# Altium PCB MCU-Board.PcbDoc
Units mm, origin at the board's own origin, x right, y up, seen from the top; angles counter-clockwise.
Board outline 40 x 40 mm, 2 copper layers (Top Layer, Bottom Layer), stack 1.671 mm thick; 39 components, 35 nets, 220 pads, 124 vias.
Unrouted connection lines stored in the file: 48.
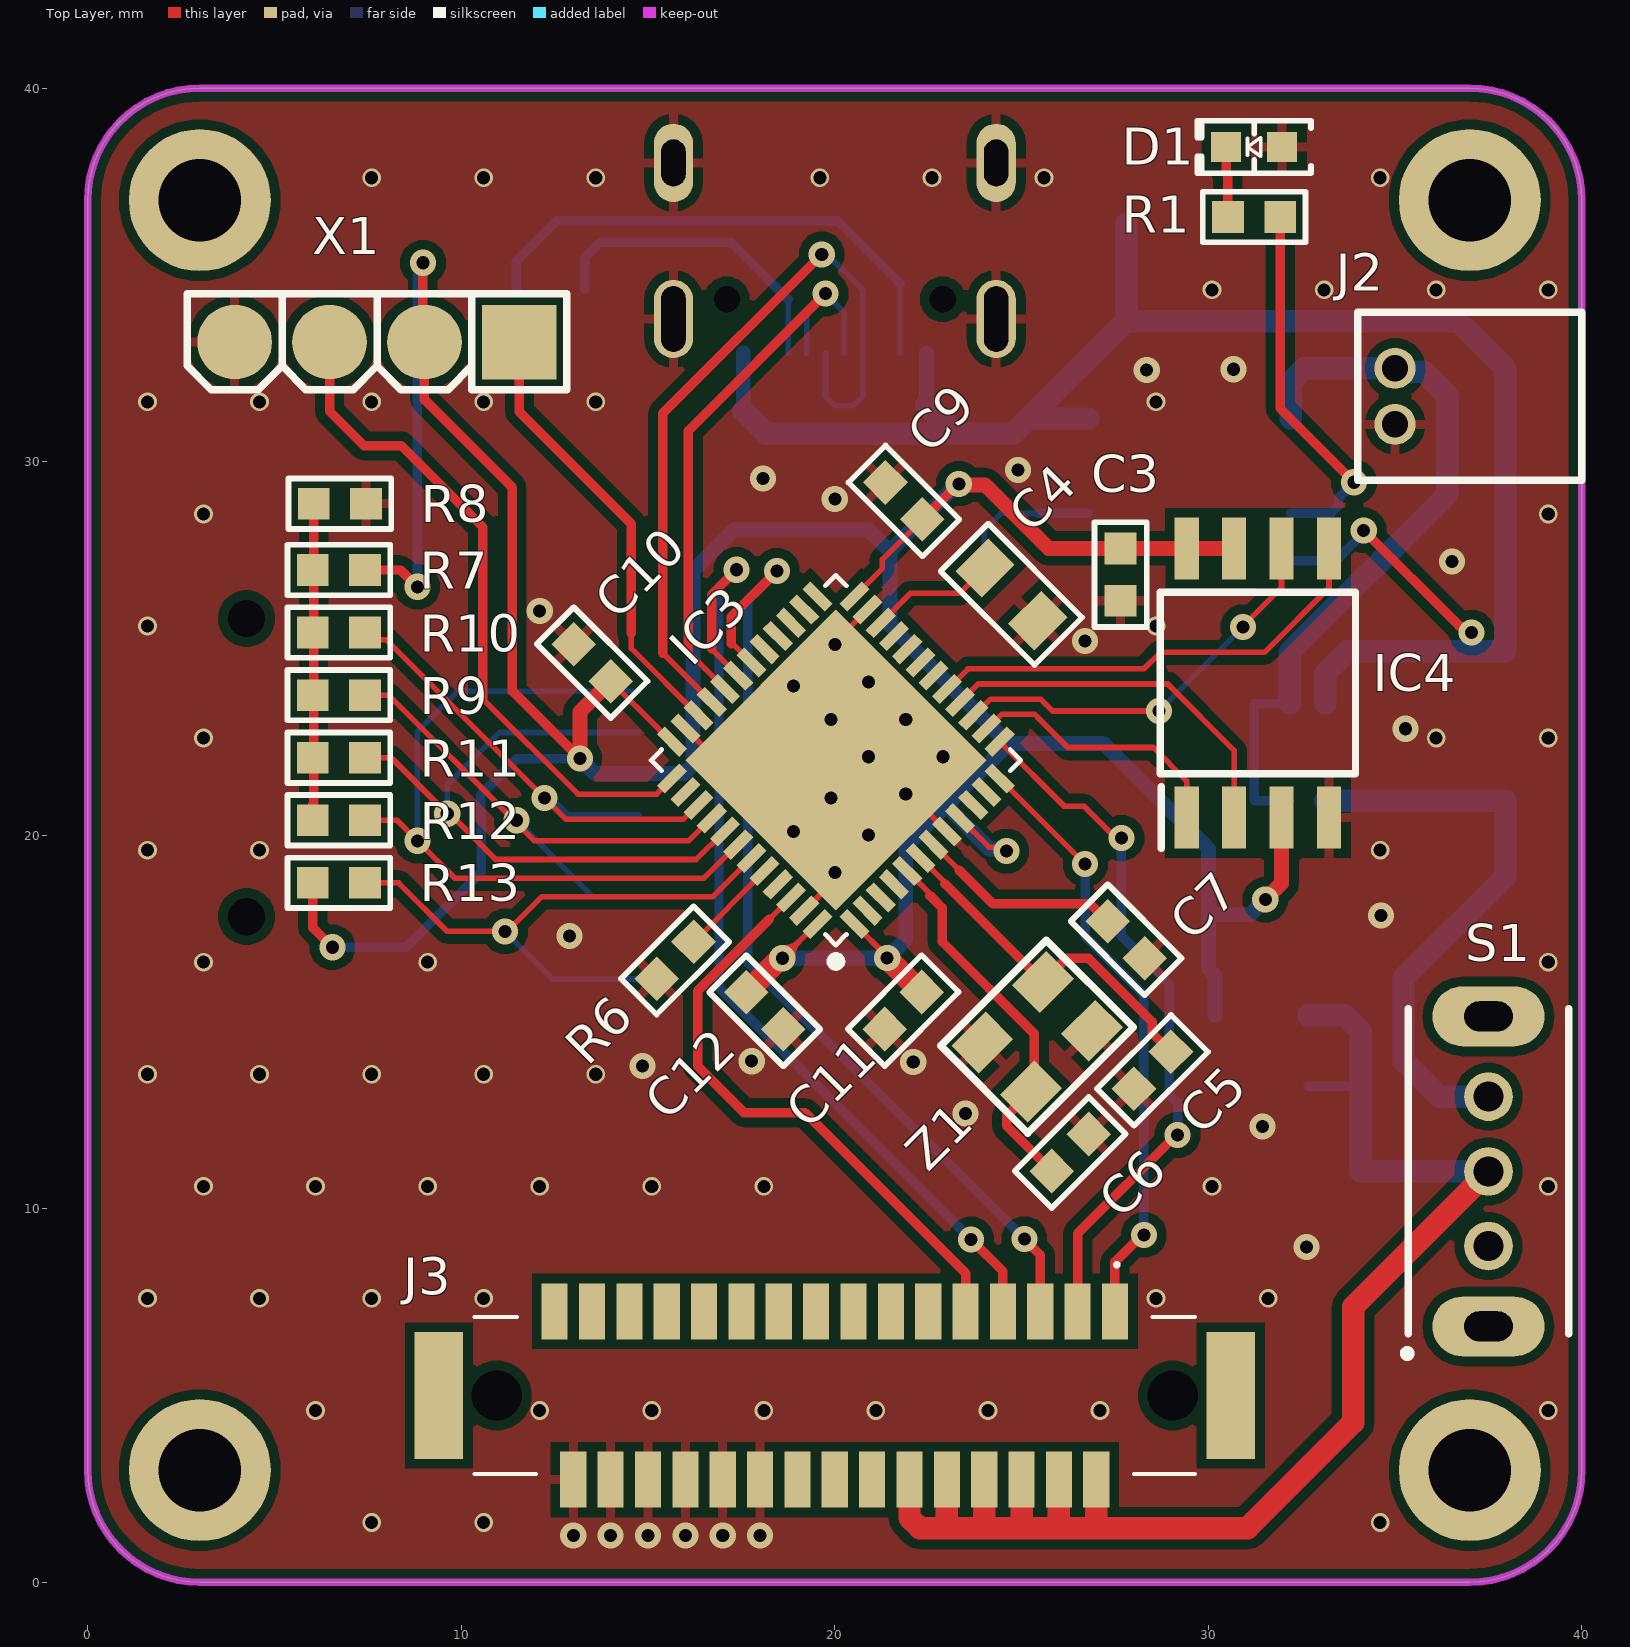
[diagram p0: Top Layer view]
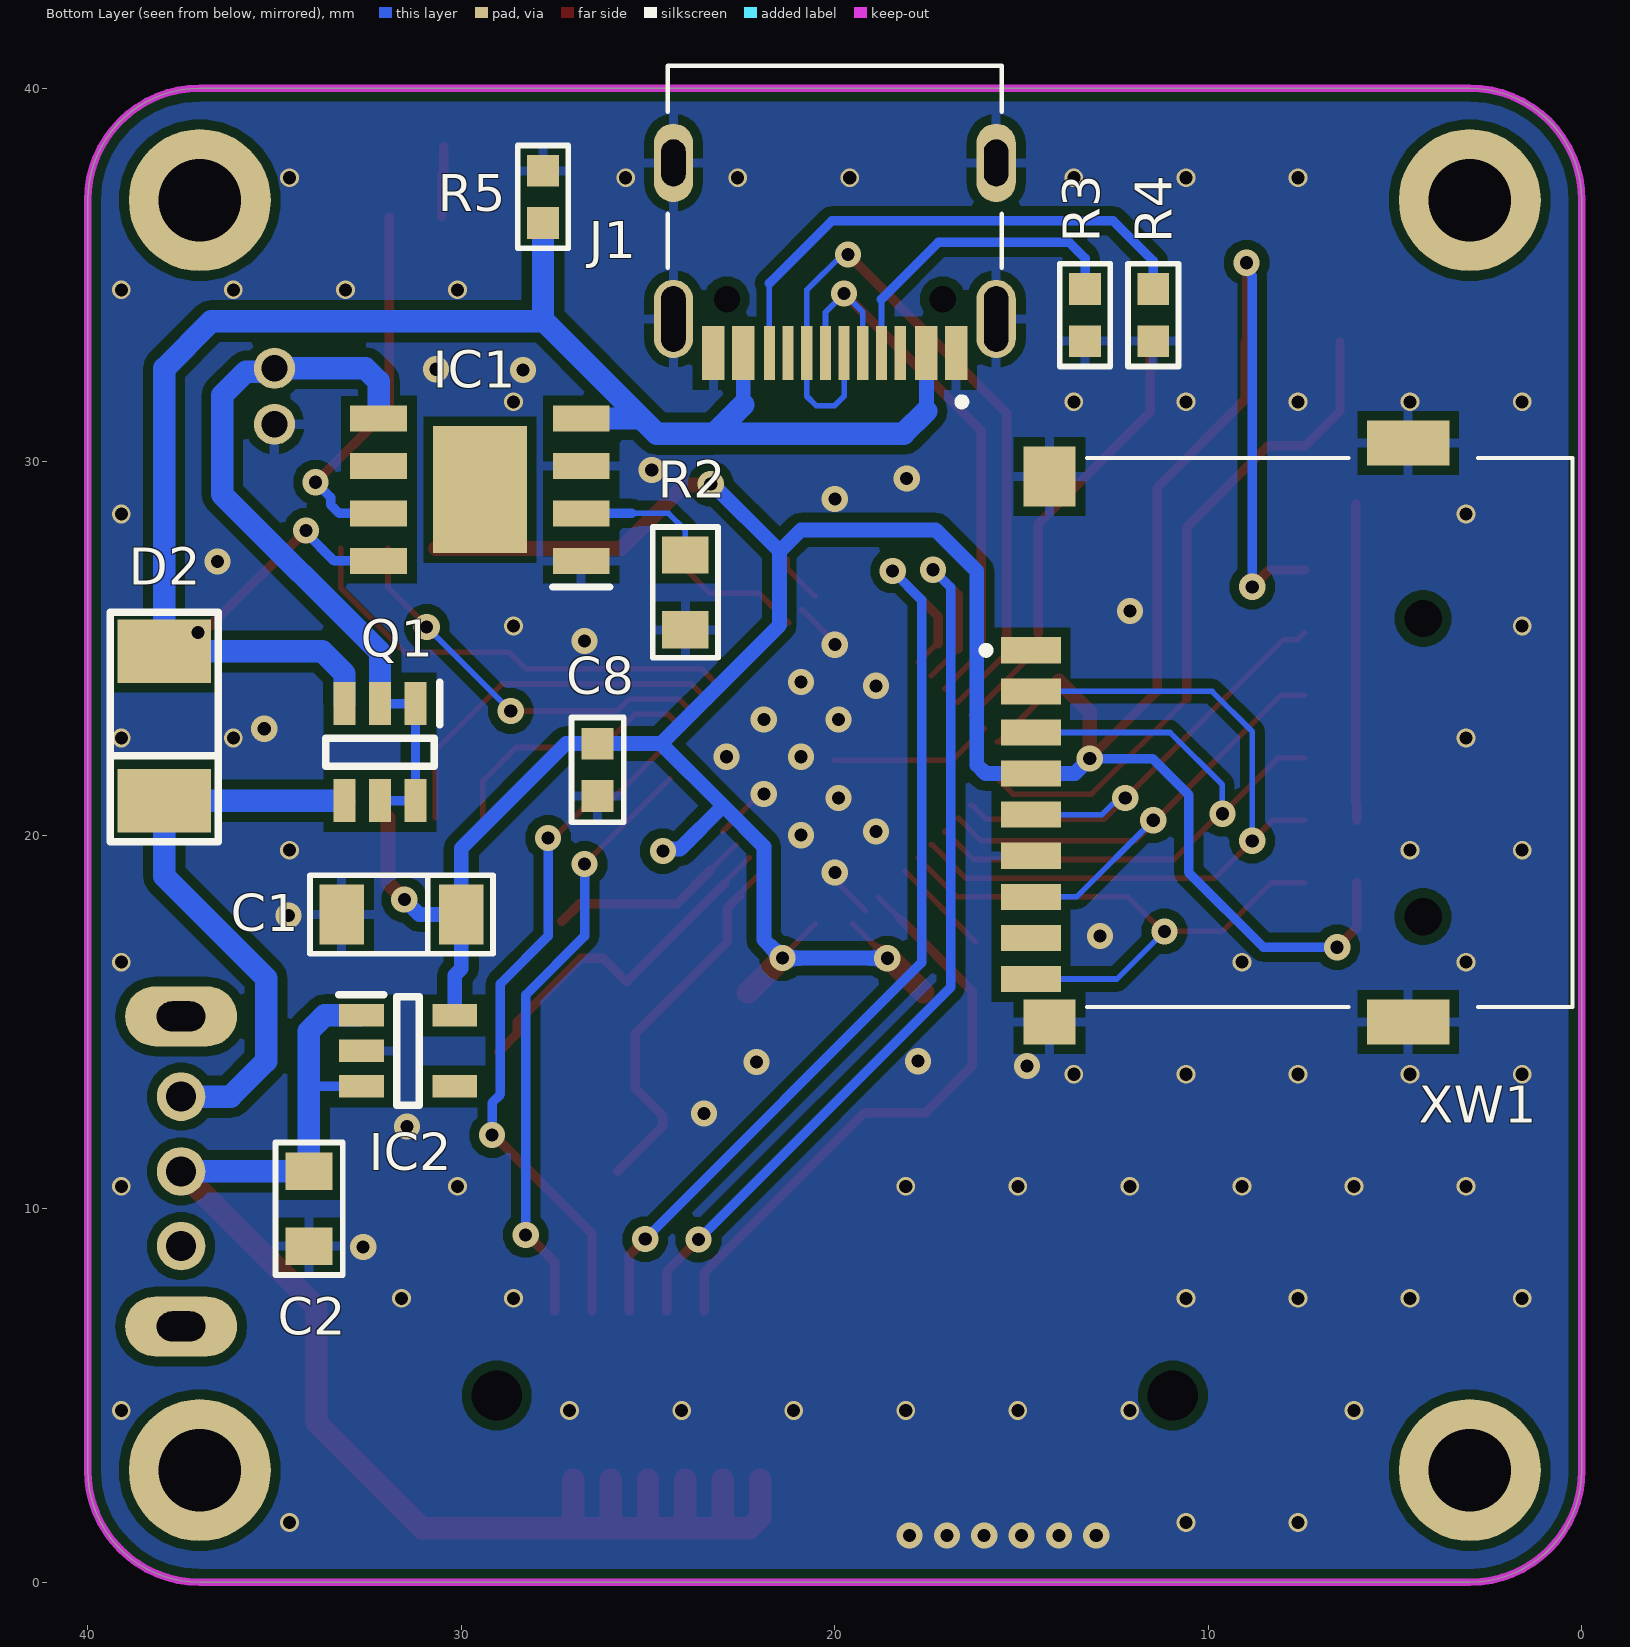
[diagram p1: Bottom Layer view, seen from below]
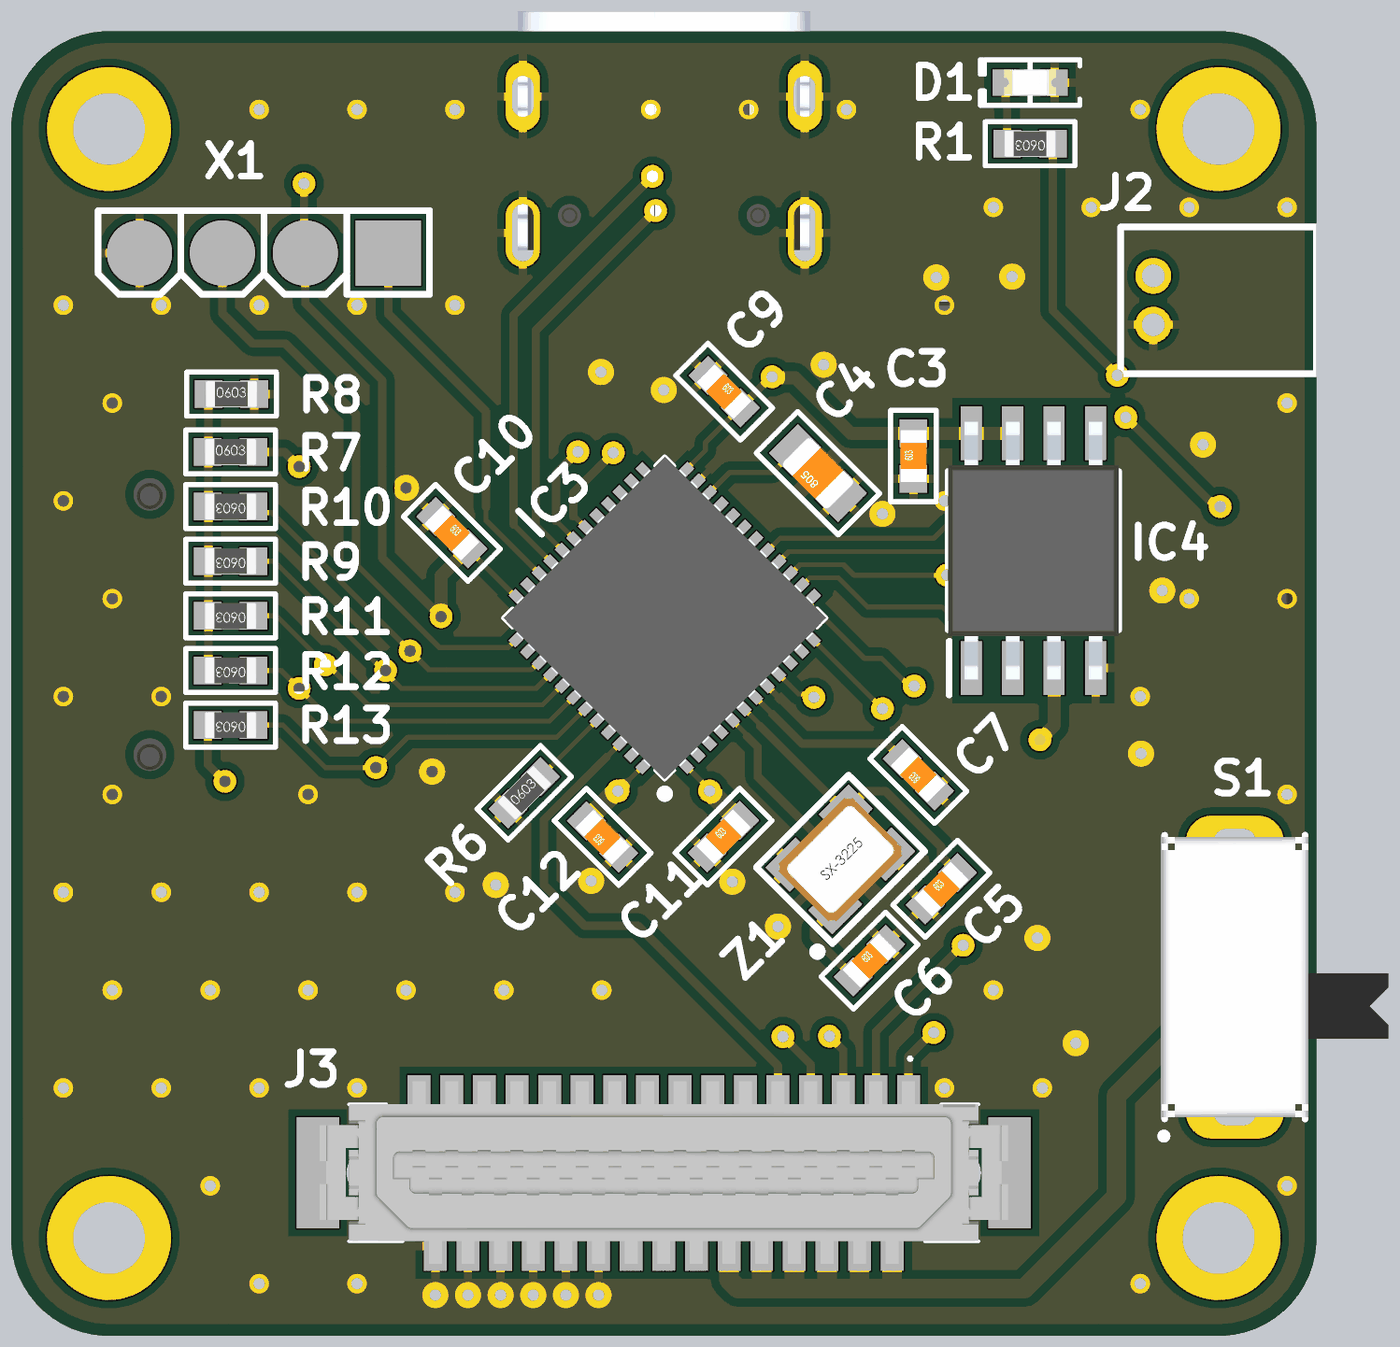
[diagram p2: 3D render of the assembled board from above, using the file's embedded part models]
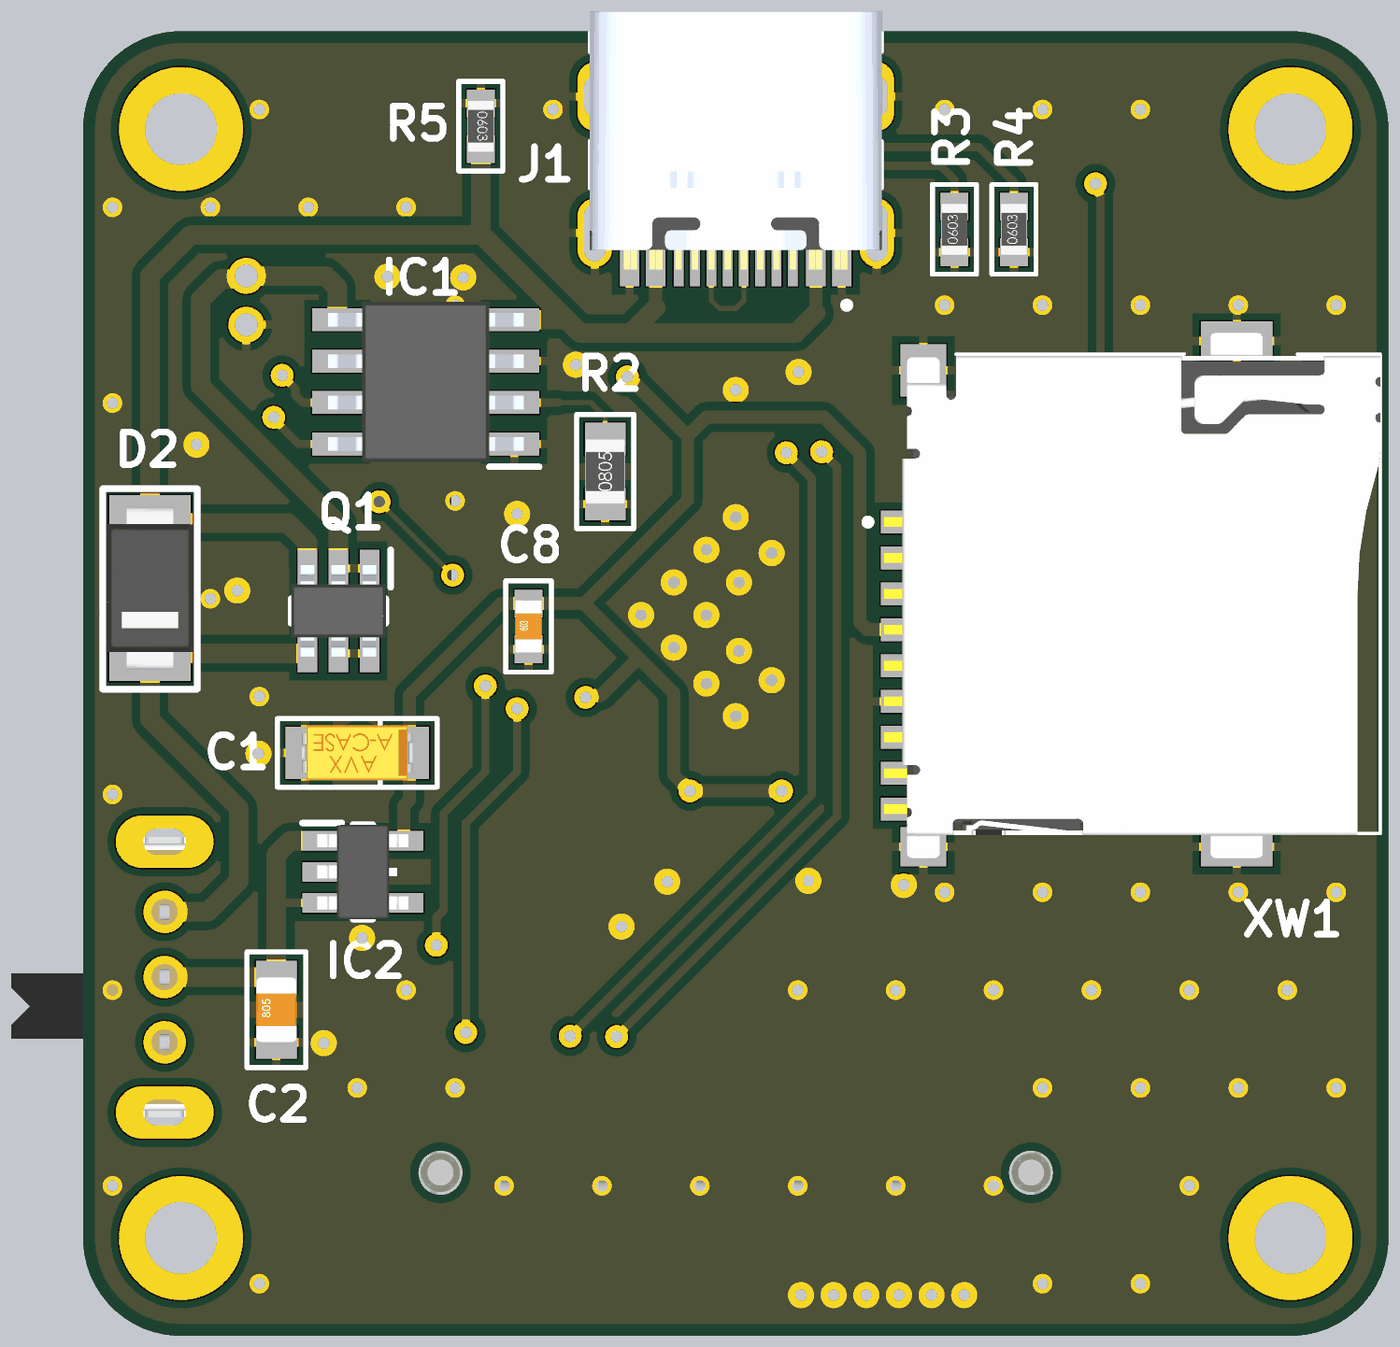
[diagram p3: 3D render of the assembled board from below, using the file's embedded part models]

## Layer stack, top to bottom
Top Solder: solder mask 0.0102, Solder Resist, Dk 3.5
Top Layer: signal copper 0.0356
Dielectric 1: dielectric 1.6, FR-4, Dk 4.8
Bottom Layer: signal copper 0.0356
Bottom Solder: solder mask 0.0102, Solder Resist, Dk 3.5

## Board outline
0,3 0,37 cw(c3,37) 3,40 37,40 cw(c37,37) 40,37 40,3 cw(c37,3) 37,0 3,0 cw(c3,3)

## Design rules (kind name [scope] priority, off if disabled: settings)
BoardOutlineClearance [All] p1: gap=0.2 ignorepadtopadclearanceinfootprint=FALSE
Clearance [All] p1: gap=0.254 ignorepadtopadclearanceinfootprint=FALSE except(0.127: SMDPad-SMDPad; 0.33: Arc-THPad Track-THPad; 0.5: THPad-THPad)
HoleSize [All] p1: absolutevalues=TRUE maxlimit=6.3 minlimit=0.2 maxpercent=80.000 minpercent=20.000
MinimumSolderMaskSliver MinimumSolderMaskSliver_TSSOP [HasFootprint('20-TSSOP')] p1: minsoldermaskwidth=0.2
MinimumSolderMaskSliver [All] p2: minsoldermaskwidth=0.2
PolygonConnect PolygonConnectMSOP [HasFootprint('10-MSOP')] p1: thpad.connectstyle=Relief thpad.reliefconductorwidth=0.18 thpad.reliefentries=4 thpad.polygonreliefangle="90 Angle" thpad.airgapwidth=0.254 smdpad.connectstyle=Direct smdpad.reliefconductorwidth=0.18 smdpad.reliefentries=4 smdpad.polygonreliefangle="90 Angle" smdpad.airgapwidth=0.254 via.connectstyle=Direct via.reliefconductorwidth=0.18 via.reliefentries=4 via.polygonreliefangle="90 Angle" via.airgapwidth=0.254
PolygonConnect [All] p2: thpad.connectstyle=Relief thpad.reliefconductorwidth=0.254 thpad.reliefentries=4 thpad.polygonreliefangle="90 Angle" thpad.airgapwidth=0.254 smdpad.connectstyle=Relief smdpad.reliefconductorwidth=0.254 smdpad.reliefentries=4 smdpad.polygonreliefangle="90 Angle" smdpad.airgapwidth=0.254 via.connectstyle=Direct via.reliefconductorwidth=0.254 via.reliefentries=4 via.polygonreliefangle="90 Angle" via.airgapwidth=0.254
RoutingCorners [All] p1: cornerstyle=45-Degree minsetback=1.27 maxsetback=1.27
RoutingVias [All] p1: holewidth=0.35 width=0.7 viastyle="Through Hole" minholewidth=0.25 minwidth=0.5 maxholewidth=0.5 maxwidth=1
SMDEntry [All] p1: side=TRUE corner=FALSE anyangle=FALSE
SMDToCorner [All] p1: distance=0
SilkToSolderMaskClearance [IsPad] p1: minsilkscreentomaskgap=0.15 clearancetoexposedcopper=TRUE
SolderMaskExpansion [All] p1: expansion=0.05 istentingtop=FALSE
UnRoutedNet [All] p1: checkbadconnections=TRUE
Width Default [All] p1: maxlimit=0.6 minlimit=0.15 preferedwidth=0.254 minimp=50.000000 maximp=50.000000 favimp=50.000000
25 further rules are at their usual default settings.

## Components (designator, comment, footprint, x,y, rotation, side; value= is the part's Value field where it differs from the comment)
C1 "10u" "CAP: TANTAL-A" 31.6,17.875 r0 bottom
C2 "10u" "CAP: 0805" 34.075,10 r90 bottom
C3 "100n" "CAP: 0603" 27.65,26.975 r90 top
C4 "2.2u" "CAP: 0805" 24.725,26.45 r135 top
C5 "8p" "CAP: 0603" 28.505,13.705 r45 top
C6 "8p" "CAP: 0603" 26.305,11.505 r45 top
C7 "100n" "CAP: 0603" 27.8,17.2 r135 top
C8 "100n" "CAP: 0603" 26.35,21.75 r90 bottom
C9 "100n" "CAP: 0603" 21.85,28.95 r315 top
C10 "100n" "CAP: 0603" 13.505,24.62 r315 top
C11 "100n" "CAP: 0603" 21.83,15.305 r45 top
C12 "100n" "CAP: 0603" 18.125,15.3 r135 top
D1 "=VALUE" "LED 0603_1608" 31.225,38.425 r180 top
D2 "1N4007" "DIODE: SMA" 37.95,22.925 r270 bottom
IC1 "TP4056" SOIC127P600X175-9N 29.5,29.25 r0 bottom
IC2 "LP2981IM5X-3.3" SOT95P280X145-5N 31.425,14.225 r180 bottom
IC3 "STM32F401CCU6" QFN50P700X700X60-49N-D 20.03,22.009 r135 top
IC4 "W25Q128FVSIG" SOIC127P790X216-8N 31.325,24.075 r90 top
J1 "TYPE-C" HRO_TYPE-C-31-M-12 20,38 r0 bottom locked
J2 "NX1500-02SMR" NX1500-02SMR 35,32.5 r270 top
J3 "DF9-31P-1V_32_" DF931P1V32 20,5 r180 top
Q1 "IRLMS6802TRPBF" SOT95P280X130-6N 32.175,22.225 r270 bottom
R1 "Resistor film, 680R, , 0201, 0.05W, -55...+125°C" "RES: 0603" 31.225,36.55 r180 top value=680R
R2 "Resistor film, 1.2k, , 0201, 0.05W, -55...+125°C" "RES: 0805" 24,26.5 r90 bottom value=1.2k
R3 "Resistor film, 5.1k, , 0201, 0.05W, -55...+125°C" "RES: 0603" 13.3,33.925 r90 bottom value=5.1k
R4 "Resistor film, 5.1k, , 0201, 0.05W, -55...+125°C" "RES: 0603" 11.475,33.925 r90 bottom value=5.1k
R5 "Resistor film, 100k, , 0201, 0.05W, -55...+125°C" "RES: 0603" 27.812,37.088 r270 bottom value=100k
R6 "Resistor film, 9.1k, , 0201, 0.05W, -55...+125°C" "RES: 0603" 15.725,16.65 r45 top value=9.1k
R7 "Resistor film, 0, , 0201, 0.05W, -55...+125°C" "RES: 0603" 6.725,27.1 r0 top value=0
R8 "Resistor film, 0, , 0201, 0.05W, -55...+125°C" "RES: 0603" 6.75,28.875 r0 top value=0
R9 "Resistor film, 9.1k, , 0201, 0.05W, -55...+125°C" "RES: 0603" 6.725,23.75 r180 top value=9.1k
R10 "Resistor film, 9.1k, , 0201, 0.05W, -55...+125°C" "RES: 0603" 6.725,25.425 r180 top value=9.1k
R11 "Resistor film, 9.1k, , 0201, 0.05W, -55...+125°C" "RES: 0603" 6.725,22.075 r180 top value=9.1k
R12 "Resistor film, 9.1k, , 0201, 0.05W, -55...+125°C" "RES: 0603" 6.725,20.4 r180 top value=9.1k
R13 "Resistor film, 9.1k, , 0201, 0.05W, -55...+125°C" "RES: 0603" 6.725,18.725 r180 top value=9.1k
S1 "OS102011MA1QN1" OS102011MA1QN1 37.5,11 r90 top
X1 "" "CON: PLS-4R" 7.745,33.2 r180 top
XW1 "TFP09-2-12B" TFP09212B 0.25,22.75 r0 bottom locked
Z1 "Crystal, 25MHz, 6pF, ±50ppm, case 2016, -30...+85°C" "OSC: 3225" 25.416,14.608 r45 top

## Footprints (in the part's own frame and the unit in brackets; to place one, negate y for a bottom-side part, rotate by r counter-clockwise, add the part's x,y. Pads: shape width x height; smd on the part's side, far side on the other; paste and mask are expansions set on the pad)
"CAP: 0603" [mm]
  rect 0.85x0.85 smd: 1(-0.7,0) 2(0.7,0)
  silkscreen extent -1.4,-0.7 1.4,0.7, body extent -0.8,-0.4 0.8,0.4, height 0.3
"CAP: 0805" [mm]
  rect 1x1.25 smd: 1(-1,0) 2(1,0)
  silkscreen extent -1.78,-0.9 1.78,0.9, body extent -1,-0.62 1,0.63, height 0.78
"CAP: TANTAL-A" [mm]
  rect 1.2x1.6 smd: 1(-1.6,0) 2(1.6,0)
  silkscreen extent -2.45,-1.05 2.45,1.05, body extent -1.7,-0.84 1.7,0.84, height 1.71
"CON: PLS-4R" [mm] "PLS-4R 4 pin header"
  rect 2x2 smd: 1(-3.81,0)
  round 2 smd: 2(-1.27,0) 3(1.27,0) 4(3.81,0)
  silkscreen extent -5.08,-1.3 5.08,1.27
DF931P1V32 [mm]
  rect 0.7x1.5 smd: 1(-7.5,-2.25) 2(-7,2.25) 3(-6.5,-2.25) 4(-6,2.25) 5(-5.5,-2.25) 6(-5,2.25) 7(-4.5,-2.25) 8(-4,2.25) 9(-3.5,-2.25) 10(-3,2.25) 11(-2.5,-2.25) 12(-2,2.25) 13(-1.5,-2.25) 14(-1,2.25) 15(-0.5,-2.25) 16(0,2.25) 17(0.5,-2.25) 18(1,2.25) 19(1.5,-2.25) 20(2,2.25) 21(2.5,-2.25) 22(3,2.25) 23(3.5,-2.25) 24(4,2.25) 25(4.5,-2.25) 26(5,2.25) 27(5.5,-2.25) 28(6,2.25) 29(6.5,-2.25) 30(7,2.25) 31(7.5,-2.25)
  round 0.675 hole 1.35 unplated: MH1(-9.05,0) MH2(9.05,0)
  rect 1.3x3.4 smd: MP1(-10.6,0) MP2(10.6,0)
  silkscreen extent -9.65,-3.55 9.65,2.1, body extent -10.55,-2.81 10.55,2.79, height 3.29
"DIODE: SMA" [mm]
  rect 1.7x2.5 smd: 1(-2,0) 2(2,0)
  round 0.5 on Mech1: ""(2,0.9)
  silkscreen extent -3.05,-1.45 3.1,1.45, body extent -2.5,-1.35 2.5,1.35, height 2.28
HRO_TYPE-C-31-M-12 [mm]
  rect 0.6x1.45 smd: A1B12(-3.25,5.095) A4B9(-2.45,5.095) B1A12(3.25,5.095) B4A9(2.45,5.095)
  rect 0.3x1.45 smd: A5(-1.25,5.095) A6(-0.25,5.095) A7(0.25,5.095) A8(1.25,5.095) B5(1.75,5.095) B6(0.75,5.095) B7(-0.75,5.095) B8(-1.75,5.095)
  oval 1.05x2.1 hole 0.65 slot 1.75 at 90 deg: S1(-4.32,4.18) S2(4.32,4.18)
  oval 1.05x2.1 hole 0.65 slot 1.25 at 90 deg: S3(-4.32,0) S4(4.32,0)
  round 0 hole 0.7 unplated: ""(-2.89,3.65) ""(2.89,3.65)
  silkscreen extent -4.47,-2.6 4.47,6.5, body extent -4.47,-2.6 4.47,5.31, height 3.31
"LED 0603_1608" [mm] "Chip Diode, 2-Leads, Body 1.60x0.80mm, IPC Medium Density"
  rect 0.8x0.8 smd: 1(-0.75,0) 2(0.75,0)
  silkscreen extent -1.52,-0.7 1.52,0.7, body extent -0.8,-0.4 0.8,0.4, height 0.53
NX1500-02SMR [mm]
  round 1.1 hole 0.7: 1(0,0) 2(1.5,0)
  silkscreen extent -1.5,-1 3,5
OS102011MA1QN1 [mm]
  round 1.3 hole 0.8: 1(-2,0) 2(0,0) 3(2,0)
  oval 1.6x3 hole 0.8 slot 1.3 at 90 deg: 4(-4.15,0) 5(4.15,0)
  silkscreen extent -4.97,-2.15 4.35,2.27, body extent -4.3,-4.7 4.3,2.24, height 4.7
"OSC: 3225" [mm]
  rect 1.3x1.05 smd: 1(-1.15,-0.925) 2(1.15,-0.925) 3(1.15,0.925) 4(-1.15,0.925)
  round 0.5 on Top Overlay: ""(-2.5,-1.5)
  silkscreen extent -2,-1.65 2,1.65, body extent -1.6,-1.25 1.6,1.25, height 0.81
QFN50P700X700X60-49N-D [mm]
  rect 0.85x0.3 smd: 1(-3.45,2.75) 2(-3.45,2.25) 3(-3.45,1.75) 4(-3.45,1.25) 5(-3.45,0.75) 6(-3.45,0.25) 7(-3.45,-0.25) 8(-3.45,-0.75) 9(-3.45,-1.25) 10(-3.45,-1.75) 11(-3.45,-2.25) 12(-3.45,-2.75) 25(3.45,-2.75) 26(3.45,-2.25) 27(3.45,-1.75) 28(3.45,-1.25) 29(3.45,-0.75) 30(3.45,-0.25) 31(3.45,0.25) 32(3.45,0.75) 33(3.45,1.25) 34(3.45,1.75) 35(3.45,2.25) 36(3.45,2.75)
  rect 0.3x0.85 smd: 13(-2.75,-3.45) 14(-2.25,-3.45) 15(-1.75,-3.45) 16(-1.25,-3.45) 17(-0.75,-3.45) 18(-0.25,-3.45) 19(0.25,-3.45) 20(0.75,-3.45) 21(1.25,-3.45) 22(1.75,-3.45) 23(2.25,-3.45) 24(2.75,-3.45) 37(2.75,3.45) 38(2.25,3.45) 39(1.75,3.45) 40(1.25,3.45) 41(0.75,3.45) 42(0.25,3.45) 43(-0.25,3.45) 44(-0.75,3.45) 45(-1.25,3.45) 46(-1.75,3.45) 47(-2.25,3.45) 48(-2.75,3.45)
  rect 5.7x5.7 smd: 49(0,0)
  silkscreen extent -3.93,-3.5 3.5,3.93, body extent -3.55,-3.55 3.55,3.55, height 0.6
"RES: 0603" [mm]
  rect 0.85x0.85 smd: 1(-0.7,0) 2(0.7,0)
  silkscreen extent -1.38,-0.67 1.38,0.67, body extent -0.8,-0.4 0.8,0.4, height 0.44
"RES: 0805" [mm]
  rect 1x1.25 smd: 1(-1,0) 2(1,0)
  silkscreen extent -1.75,-0.87 1.75,0.87, body extent -1,-0.6 1,0.6, height 0.48
SOIC127P600X175-9N [mm]
  rect 1.525x0.7 smd: 1(-2.712,1.905) 2(-2.712,0.635) 3(-2.712,-0.635) 4(-2.712,-1.905) 5(2.712,-1.905) 6(2.712,-0.635) 7(2.712,0.635) 8(2.712,1.905)
  rect 2.513x3.402 smd: 9(0,0)
  silkscreen extent -3.47,2.61 -1.95,2.61, body extent -3,-2.45 3,2.45, height 1.75
SOIC127P790X216-8N [mm]
  rect 1.65x0.65 smd: 1(-3.6,1.905) 2(-3.6,0.635) 3(-3.6,-0.635) 4(-3.6,-1.905) 5(3.6,-1.905) 6(3.6,-0.635) 7(3.6,0.635) 8(3.6,1.905)
  silkscreen extent -4.43,-2.62 2.42,2.62, body extent -3.95,-2.62 3.95,2.62, height 2.16
SOT95P280X130-6N [mm]
  rect 1.15x0.6 smd: 1(-1.3,0.95) 2(-1.3,0) 3(-1.3,-0.95) 4(1.3,-0.95) 5(1.3,0) 6(1.3,0.95)
  silkscreen extent -1.88,-1.45 0.38,1.6, body extent -1.4,-1.45 1.4,1.45, height 1.3
SOT95P280X145-5N [mm]
  rect 1.2x0.6 smd: 1(-1.25,0.95) 2(-1.25,0) 3(-1.25,-0.95) 4(1.25,-0.95) 5(1.25,0.95)
  silkscreen extent -1.85,-1.45 0.3,1.5, body extent -1.4,-1.45 1.4,1.45, height 1.2
TFP09212B [mm]
  rect 1.6x0.7 smd: 1(14.5,-2.2) 2(14.5,-1.1) 3(14.5,0) 4(14.5,1.1) 5(14.5,2.2) 6(14.5,3.3) 7(14.5,4.4) 8(14.5,5.5) 9(14.5,6.6)
  rect 1.4x1.2 smd: 10(14,7.75)
  rect 2.2x1.2 smd: 11(4.4,7.75) 12(4.4,-7.75)
  rect 1.4x1.6 smd: 13(14,-6.85)
  round 0.5 hole 1 unplated: MH1(4,-3.05) MH2(4,4.93)
  silkscreen extent 0,-7.35 15.8,7.35, body extent 0,-8 15.2,8.1, height 1.85

## Part data
C1: library part Capacitor_polar, "SMD Capacitor Polar"
C2 C3 C4 C5 C6 C7 C8 C9 C10 C11 C12: library part Capacitor, "SMD Capacitor"
D1: library part LED, "Chip LED"
D2: library part Diode, "Rectifier Diode"
IC1: "Connector", Manufacturer_Name="NanJing Top Power", Datasheet Link=https://dlnmh9ip6v2uc.cloudfront.net/datasheets/Prototyping/TP4056.pdf, Height=1.75mm, Manufacturer_Part_Number=TP4056
IC2: "Integrated Circuit", Manufacturer_Name="Texas Instruments", Manufacturer_Part_Number=LP2981IM5X-5.0, Mouser Part Number=926-LP2981IM5X-50, Datasheet Link=https://www.ti.com/lit/ds/symlink/lp2981-n.pdf?ts=1629199672850&ref_url=https%253A%252F%252Fwww.ti.com%252Fstore%252Fti%252Fen%252Fp%252Fproduct%252F%253Fp%253DLP2981IM5X-5.0%252FNOPB, Height=1.45mm, Mouser Price/Stock=https://www.mouser.com/Search/Refine.aspx?Keyword=926-LP2981IM5X-50
IC3: "Integrated Circuit", Manufacturer_Name=STMicroelectronics, Mouser Part Number=511-STM32F401CCU6, Arrow Part Number=STM32F401CCU6, Arrow Price/Stock=https://www.arrow.com/en/products/stm32f401ccu6/stmicroelectronics?region=nac, Datasheet Link=http://www.st.com/web/en/resource/technical/document/datasheet/DM00086815.pdf, Height=0.6mm, Manufacturer_Part_Number=STM32F401CCU6, Mouser Price/Stock=https://www.mouser.co.uk/ProductDetail/STMicroelectronics/STM32F401CCU6?qs=DqCdCwOw4%2F5VrOZQxO795A%3D%3D
IC4: "Integrated Circuit", Manufacturer_Name=Winbond, Mouser Part Number=N/A, Arrow Part Number=W25Q128FVSIG, Arrow Price/Stock=https://www.arrow.com/en/products/w25q128fvsig/winbond-electronics, Datasheet Link="https://www.winbond.com/resource-files/w25q128fv rev.m 05132016 kms.pdf", Height=2.16mm, Manufacturer_Part_Number=W25Q128FVSIG, Mouser Price/Stock=https://www.mouser.co.uk/ProductDetail/Winbond/W25Q128FVSIG?qs=rkhjVJ6%2F3EIwu4pV702YLQ%3D%3D
J1: library part TYPE-C-31-M-12, "USB Connectors 24 Receptacle 1 8.94*7.3mm RoHS", Package=None, Availability=Unavailable, MP=TYPE-C-31-M-12, Price=None
J3: "Connector", Arrow Part Number=DF9-31P-1V(32), Manufacturer_Name=Hirose, Mouser Part Number=798-DF9-31P-1V32, Arrow Price/Stock=https://www.arrow.com/en/products/df9-31p-1v-32/hirose-electric, Datasheet Link=https://datasheet.datasheetarchive.com/originals/distributors/SFDatasheet-7/sf-000141250.pdf, Height=3.5mm, Manufacturer_Part_Number=DF9-31P-1V(32), Mouser Price/Stock=https://www.mouser.co.uk/ProductDetail/Hirose-Connector/DF9-31P-1V32?qs=zOgoZG1CgI9P5hPtT7oVcw%3D%3D, System=Connector
Q1: "MOSFET (P-Channel)", Manufacturer_Name=Infineon, Mouser Part Number=942-IRLMS6802TRPBF, Arrow Part Number=IRLMS6802TRPBF, Arrow Price/Stock=https://www.arrow.com/en/products/irlms6802trpbf/infineon-technologies-ag, Datasheet Link=https://www.infineon.com/dgdl/irlms6802pbf.pdf?fileId=5546d462533600a401535669349a2654, Height=1.3mm, Manufacturer_Part_Number=IRLMS6802TRPBF, Mouser Price/Stock=https://www.mouser.co.uk/ProductDetail/Infineon-IR/IRLMS6802TRPBF?qs=9%252BKlkBgLFf3%252B6QUsVmNV1g%3D%3D
R1 R2 R3 R4 R5 R6 R7 R8 R9 R10 R11 R12 R13: library part Resistor, Manufacturer=Yageo, Package=0201, PartNumber=RC0201JR-07100RL, Power=0.05W, Temperature=-55...+125°C, TypeResistor="Resistor film", HelpURL=https://www.digikey.com/product-detail/en/yageo/RC0201JR-07100RL/311-100NCT-ND/1949006
  R1: ValueManufacturerPartNumber="Resistor film, 680R, , 0201, 0.05W, -55...+125°C"
  R2: ValueManufacturerPartNumber="Resistor film, 1.2k, , 0201, 0.05W, -55...+125°C"
  R3 R4: ValueManufacturerPartNumber="Resistor film, 5.1k, , 0201, 0.05W, -55...+125°C"
  R5: ValueManufacturerPartNumber="Resistor film, 100k, , 0201, 0.05W, -55...+125°C"
  R6 R9 R10 R11 R12 R13: ValueManufacturerPartNumber="Resistor film, 9.1k, , 0201, 0.05W, -55...+125°C"
  R7 R8: ValueManufacturerPartNumber="Resistor film, 0, , 0201, 0.05W, -55...+125°C"
S1: "Switch", Manufacturer_Name="C & K COMPONENTS", Mouser Part Number=611-OS102011MA1QN1, Arrow Part Number=OS102011MA1QN1, Arrow Price/Stock=https://www.arrow.com/en/products/os102011ma1qn1/ck?region=europe, Datasheet Link=http://www.ckswitches.com/media/1428/os.pdf, Manufacturer_Part_Number=OS102011MA1QN1, Mouser Price/Stock=https://www.mouser.co.uk/ProductDetail/CK/OS102011MA1QN1?qs=WtljUlYws5R6MUgHcLkz4w%3D%3D
X1: library part "Connector SWD", "SWD Interface"
XW1: "Connector", Manufacturer_Name=100y, Datasheet Link=http://images.100y.com.tw/pdf_file/10-TFP09-2-12B.pdf, Height=2.45mm, Manufacturer_Part_Number=TFP09-2-12B
Z1: library part Crystal, Frequency=25MHz, LoadCapacitance=6pF, Manufacturer="Murata Electronics", Package="case 2016", PartNumber=XRCGB25M000F0L00R0, Temperature=-30...+85°C, Tolerance=±50ppm, HelpURL=https://www.digikey.com/product-detail/en/murata-electronics-north-america/XRCGB25M000F0L00R0/490-5577-1-ND/2368391, TypeOscilator=Crystal, ValueManufacturerPartNumber="Crystal, 25MHz, 6pF, ±50ppm, case 2016, -30...+85°C"

## Free pads (board coordinates)
  round 3.8 hole 2.2: 5(3,3) 5(3,37) 5(37,3) 5(37,37)

## Via types
v1: diameter 0.7, hole 0.35, Top Layer to Bottom Layer, 64 vias
v2: diameter 0.5, hole 0.35, Top Layer to Bottom Layer, 60 vias

## Nets (pads, with @x,y where several pads share a name; then routed paths per layer and width w, separated by ;. In a path a pad name is that pad's centre, name@x,y a point inside that pad or via, vN(x,y) a via of type N, cw(c..) or ccw(c..) an arc to the next point about the centre after c; other vN are vias at no path point)
+3.3V: C1.1 C3.2 C8.2 C9.2 C10.2 C11.2 C12.2 IC2.5 IC3.1 IC3.9 IC3.24 IC3.36 IC3.48 IC4.3 IC4.7 IC4.8 R7.2 R13.2 X1.2 XW1.4 | length 111.8
  Top Layer w0.15: C10.2 15.315,22.81 15.315,22.795 15.607,22.504 IC3.36 ; C12.2 C12.2@17.684,15.795 ; v1(18.595,16.705) 19.514,17.625 IC3.48 ; IC3.1 21.403,16.747 v1(21.403,16.708) ; IC3.24 21.275,27.143 21.275,27.385 C9.2 ; IC3.9 24.127,19.68 24.495,19.68 v1(24.6,19.575)
  Top Layer w0.254: R13.2 6.025,17.525 v1(6.55,17) ; R7.2 8.375,27.1 v1(8.825,26.65) ; v1@8.95,35.35 v1(8.975,35.325) 8.975,33.24 X1.2 9.015,31.66 11.369,29.306 11.369,23.856 v1(13.175,22.05) ; C9.2 23.295,29.405 v1(23.32,29.405)
  Top Layer w0.4: v1(13.175,22.05) 13.175,23.3 C10.2 ; v1(23.32,29.405) 23.35,29.375 24.025,29.375 25.725,27.675 C3.2 IC4.8 IC4.7 ; v1(31.525,18.275) 31.96,18.71 IC4.3
  Top Layer w0.6: C12.2 18.491,16.655 18.517,16.655 18.567,16.705 v1(18.595,16.705) ; v1(21.403,16.708) 22.311,15.8 C11.2
  Bottom Layer w0.15: v1@24.543,19.632 v1(24.6,19.575)
  Bottom Layer w0.254: v1(6.55,17) 8.525,17 10.53,19.005 10.53,20.471 10.519,20.483 10.519,21.078 11.491,22.05 v1(13.175,22.05) ; v1(8.825,26.65) 8.825,34.975 8.975,35.125 v1(8.975,35.325)
  Bottom Layer w0.4: v1(13.175,22.05) 13.575,21.65 15.966,21.65 16.2,21.884 16.2,27.073 17.302,28.175 20.9,28.175 21.475,27.6 ; v1(18.595,16.705) 18.597,16.708 v1(21.403,16.708) 21.9,17.205 21.9,19.7 22.988,20.788 ; v1(23.32,29.405) 23.28,29.405 21.475,27.6 ; v1@24.543,19.632 24.143,19.632 22.988,20.788 ; IC2.5 30.175,16.25 30,16.425 C1.1 ; v1(31.525,18.275) 31.125,17.875 C1.1 ; 21.475,27.6 21.475,25.625 24.65,22.45 ; 22.988,20.788 24.65,22.45 ; 24.65,22.45 C8.2 27.2,22.45 30,19.65 C1.1
+5V: D2.1 IC1.4 IC1.8 J1.A4B9 J1.B4A9 Q1.3 R5.2 | length 50.5
  Top Layer w0.254: v1(34.159,28.161) 36.71,25.61 36.744,25.61 36.929,25.425 v1(37.05,25.425)
  Bottom Layer w0.254: IC1.8 33.407,27.345 34.159,28.097 v1(34.159,28.161)
  Bottom Layer w0.4: 17.55,31.356 J1.A4B9 ; 22.45,31.525 J1.B4A9
  Bottom Layer w0.6: 17.55,31.356 18.156,30.75 23.225,30.75 ; 22.45,31.525 23.225,30.75 ; IC1.4 25.176,31.155 ; 27.812,33.756 R5.2 ; Q1.3 33.125,24.325 33.725,24.925 D2.1 37.95,32.5 36.694,33.756 27.777,33.756 25.176,31.155 ; 23.225,30.75 24.771,30.75 25.176,31.155
GND: C1.2 C2.1 C3.1 C4.1 C5.1 C6.2 C7.1 C8.1 C9.1 C10.1 C11.1 C12.1 D1.1 IC1.1 IC1.3 IC2.2 IC3.8 IC3.23 IC3.35 IC3.47 IC3.49 IC4.4 J1.A1B12 J1.B1A12 J1.S1 J1.S2 J1.S3 J1.S4 J2.2 J3.20 J3.22 J3.24 J3.26 J3.28 J3.30 R2.1 R3.1 R4.1 R5.1 R6.1 R8.2 X1.4 XW1.6 XW1.10 XW1.11 XW1.12 XW1.13 Z1.2 Z1.4 | length 8.6
  Top Layer w0.15: IC3.35 16.848,22.009 IC3.49 ; IC3.47 20,18.797 v1(20,19) ; v1(20,25.1) 20,25.161 IC3.23 ; v1(21.9,21.1) 22,21.1 IC3.8
  other v1: 13,1.25 14,1.25 15,1.25 16,1.25 17,1.25 18,1.25 32.625,8.975 31.45,12.2 23.5,12.55 14.85,13.825 22.1,13.925 17.775,13.95 12.9,17.3 34.625,17.85 20.9,20 18.9,20.1 19.9,21 20.9,22.1 22.9,22.1 35.275,22.85 19.9,23.1 21.9,23.1 18.9,24 20.9,24.1 26.7,25.2 12.1,26 36.525,27.325 20,29 18.075,29.55 24.9,29.775 28.35,32.45 30.675,32.475
  other v2: 7.6,1.6 10.6,1.6 34.6,1.6 6.1,4.6 12.1,4.6 15.1,4.6 18.1,4.6 21.1,4.6 24.1,4.6 27.1,4.6 39.1,4.6 1.6,7.6 4.6,7.6 7.6,7.6 10.6,7.6 28.6,7.6 31.6,7.6 3.1,10.6 6.1,10.6 9.1,10.6 12.1,10.6 15.1,10.6 18.1,10.6 30.1,10.6 39.1,10.6 1.6,13.6 4.6,13.6 7.6,13.6 10.6,13.6 13.6,13.6 3.1,16.6 9.1,16.6 39.1,16.6 1.6,19.6 4.6,19.6 34.6,19.6 3.1,22.6 36.1,22.6 39.1,22.6 1.6,25.6 28.6,25.6 3.1,28.6 39.1,28.6 1.6,31.6 4.6,31.6 7.6,31.6 10.6,31.6 13.6,31.6 28.6,31.6 30.1,34.6 33.1,34.6 36.1,34.6 39.1,34.6 7.6,37.6 10.6,37.6 13.6,37.6 19.6,37.6 22.6,37.6 25.6,37.6 34.6,37.6
NetC4_2: C4.2 IC3.22 | length 3.4
  Top Layer w0.15: IC3.22 22.021,26.475 23.336,26.475 C4.2
NetC5_2: C5.2 IC3.6 Z1.3 | length 9.6
  Top Layer w0.15: IC3.6 22.95,18.736 22.95,18.7
  Top Layer w0.254: 22.95,18.7 Z1.3 26.2,16.7 26.8,16.7 28.5,15 28.5,14.7 C5.2
NetC6_1: C6.1 IC3.5 Z1.1 | length 10.2
  Top Layer w0.15: IC3.5 22.546,18.433 22.546,18.385
  Top Layer w0.254: 22.546,18.385 22.877,18.055 22.877,17.148 25.345,14.68 25.345,13.229 24.6,12.484 24.6,12.22 C6.1
NetC7_2: C7.2 IC3.7 | length 5.5
  Top Layer w0.15: IC3.7 23.328,19.065
  Top Layer w0.254: 23.328,19.065 24.231,18.161 26.839,18.161 C7.2
NetD1_2: D1.2 R1.2 | length 1.9
  Top Layer w0.254: D1.2 30.475,37.725 30.525,37.675 R1.2
NetD2_2: D2.2 Q1.4 S1.3 | length 15.6
  Bottom Layer w0.6: Q1.4 D2.2 37.95,18.9 35.225,16.175 35.225,13.95 36.175,13 S1.3
NetIC1_2: IC1.2 R2.2 | length 3.6
  Bottom Layer w0.15: R2.2 24,28.165 24.45,28.615 25.44,28.615
  Bottom Layer w0.254: 25.44,28.615 IC1.2
NetIC1_7: IC1.7 R1.1 | length 10.1
  Top Layer w0.254: R1.1 31.925,31.425 v1(33.9,29.45)
  Bottom Layer w0.254: IC1.7 33.266,28.615 33.415,28.764 33.494,28.843 33.494,29.044 v1(33.9,29.45)
NetIC3_44: IC3.44 R6.2 | length 2.7
  Top Layer w0.15: R6.2@16.227,17.145 IC3.44
NetJ1_A5: J1.A5 R3.2 | length 8.5
  Bottom Layer w0.15: J1.A5 18.75,34.35
  Bottom Layer w0.254: R3.2 13.3,35.447 13.728,35.875 17.225,35.875 18.75,34.35
NetJ1_B5: J1.B5 R4.2 | length 14
  Bottom Layer w0.15: J1.B5 21.75,34.775
  Bottom Layer w0.254: R4.2 11.475,35.375 12.55,36.45 20.075,36.45 21.75,34.775
NetR7_1: R7.1 R8.1 R9.2 R10.2 R11.2 R12.2 | length 8.5
  Top Layer w0.254: R12.2 6.025,20.825 6.05,20.85 R8.1
PWRKEY_MCU: IC3.46 J3.9 | length 16
  Top Layer w0.15: 18.248,17.752 IC3.46
  Top Layer w0.254: 18.248,17.752 16.325,15.829 16.325,13.817 17.567,12.575 19.2,12.575 23.5,8.275 J3.9
SD_CS: IC3.42 R12.1 XW1.2 | length 20.3
  Top Layer w0.15: R12.1 8.275,20.4 v1(8.825,19.85) 9.825,18.85 16.496,18.85 17.384,19.737 17.393,19.746 IC3.42
  Bottom Layer w0.15: v1(8.825,19.85) 8.825,22.775 9.9,23.85 XW1.2
SD_Detect: IC3.43 R13.1 XW1.9 | length 15.8
  Top Layer w0.15: R13.1 8.325,18.725 9.625,17.425 v1(11.175,17.425) 11.225,17.425 12.15,18.35 16.725,18.35 IC3.43
  Bottom Layer w0.15: v1(11.175,17.425) 12.45,16.15 XW1.9
SD_MISO: IC3.40 R9.1 XW1.7 | length 15.3
  Top Layer w0.15: R9.1 8.057,23.75 11.407,20.4 v1(11.475,20.4) 11.475,20.332 11.957,19.85 16.082,19.85 16.677,20.444 16.686,20.454 IC3.40
  Bottom Layer w0.15: v1(11.475,20.4) 13.525,18.35 XW1.7
SD_MOSI: IC3.41 R11.1 XW1.3 | length 17.6
  Top Layer w0.15: R11.1 8.125,22.075 v1(9.625,20.575) 9.699,20.575 10.924,19.35 16.289,19.35 17.03,20.091 17.039,20.1 IC3.41
  Bottom Layer w0.15: v1(9.625,20.575) 9.625,21.35 11.025,22.75 XW1.3
SD_SCK: IC3.39 R10.1 XW1.5 | length 13.9
  Top Layer w0.15: R10.1 7.612,25.238 7.987,25.238 12.131,21.094 12.8,20.425 15.941,20.425 16.314,20.797 IC3.39@16.353,20.797
  Bottom Layer w0.15: v1(12.225,21) 12.374,21 12.543,20.831 12.569,20.831 12.85,20.55 XW1.5
SWCLK: IC3.37 X1.3 | length 18.1
  Top Layer w0.15: 10.575,23.65 13.125,21.1 15.232,21.1 IC3.37
  Top Layer w0.254: X1.3 6.475,31.35 7.4,30.425 8.4,30.425 10.575,28.25 10.575,23.65
SWDIO: IC3.34 X1.1 | length 12
  Top Layer w0.15: 14.555,25.407 14.555,24.996 IC3.34@16.34,23.211
  Top Layer w0.254: X1.1@11.555,33.187 11.555,31.332 14.555,28.332 14.555,25.407
UART1_RX: IC3.31 J3.7 | length 26.6
  Top Layer w0.15: 16.7,24.986 IC3.31
  Top Layer w0.254: 16.7,24.986 16.7,26.436 v1(17.369,27.106) ; v1(23.65,9.175) 24.5,8.325 J3.7
  Bottom Layer w0.254: v1(17.369,27.106) 16.9,26.636 16.9,15.925 v1(23.65,9.175)
UART1_TX: IC3.30 J3.5 | length 26.6
  Top Layer w0.15: 17.225,25.129 17.264,25.129 IC3.30
  Top Layer w0.254: 17.225,25.129 17.225,25.85 v1(18.45,27.075) ; v1(25.075,9.188) 25.5,8.763 J3.5
  Bottom Layer w0.254: v1(18.45,27.075) 17.675,26.3 17.675,16.588 v1(25.075,9.188)
UART6_RX: IC3.13 J3.3 | length 18.8
  Top Layer w0.15: IC3.13 26.143,20.775 26.675,20.775 27.343,20.107 ; 27.345,20.107 27.526,19.925 v1(27.675,19.925)
  Top Layer w0.254: J3.3 26.5,9.334 29.141,11.975 v1(29.175,11.975)
  Bottom Layer w0.254: v1(27.675,19.925) 27.675,17.3 28.95,16.025 28.95,13.061 29.175,12.836 v1(29.175,11.975)
UART6_TX: IC3.12 J3.1 | length 16.2
  Top Layer w0.15: IC3.12 25.563,20.365 v1(26.7,19.228)
  Top Layer w0.254: J3.1 27.5,8.575 28.225,9.3 v1(28.275,9.3)
  Bottom Layer w0.254: v1(26.7,19.228) 26.7,17.3 28.275,15.725 v1(28.275,9.3)
USB_DN: IC3.32 J1.A7 J1.B7 | length 16.1
  Top Layer w0.15: 16.075,24.904 16.52,24.459 IC3.32
  Top Layer w0.254: 16.075,24.904 16.075,30.825 v1(19.75,34.5)
  Bottom Layer w0.15: J1.B7 19.25,34 v1(19.75,34.5) 20.25,34 J1.A7
USB_DP: IC3.33 J1.A6 J1.B6 | length 21
  Top Layer w0.15: 15.4,24.872 IC3.33
  Top Layer w0.254: 15.4,24.872 15.4,31.3 v1(19.65,35.55)
  Bottom Layer w0.15: v1(19.65,35.55) 19.799,35.55 20.75,34.599 J1.B6 20.75,31.75 20.5,31.5 20,31.5 19.75,31.75 J1.A6
VBATT: IC1.5 J2.1 Q1.1 Q1.2 Q1.5 Q1.6 | length 20.1
  Bottom Layer w0.254: Q1.5 Q1.6 Q1.1 Q1.2
  Bottom Layer w0.6: Q1.2 32.175,24.899 36.4,29.124 36.4,31.775 35.763,32.412 35.088,32.412 J2.1 32.563,32.5 32.212,32.149 IC1.5
VCC: C2.2 IC2.1 IC2.3 J3.2 J3.4 J3.6 J3.8 J3.10 J3.12 S1.2 | length 39.1
  Top Layer w0.6: J3.12 22,1.725 22.275,1.45 23,1.45 ; J3.10 23,1.45 ; J3.8 24,1.475 23.975,1.45 ; J3.6 25,1.475 25.025,1.45 ; J3.4 26,1.45 ; J3.2 27,1.45 ; S1.2 33.875,7.375 33.875,4.275 31.05,1.45 27,1.45 ; 23,1.45 23.975,1.45 ; 23.975,1.45 25.025,1.45 ; 25.025,1.45 26,1.45 ; 26,1.45 27,1.45
  Bottom Layer w0.254: IC2.3 34.079,13.275
  Bottom Layer w0.6: IC2.1 33.658,15.175 34.079,14.754 34.079,13.274 ; C2.2 S1.2 ; C2.2@34.079,11.004 34.079,13.275
W25_CLK: IC3.15 IC4.6 | length 11
  Top Layer w0.15: IC3.15 23.737,23.211 24.169,23.644 25.511,23.644 25.655,23.5 25.83,23.325 v1(28.675,23.325) ; v1(30.925,25.575) 30.925,25.6 31.96,26.635 IC4.6
  Bottom Layer w0.15: v1(28.675,23.325) v1(30.925,25.575)
W25_CS: IC3.14 IC4.1 | length 7.2
  Top Layer w0.15: IC3.14 24.09,22.858 24.472,23.24 25.344,23.24 25.488,23.096 26.236,22.347 28.528,22.347 29.42,21.455 IC4.1
W25_MISO: IC3.16 IC4.2 | length 10.1
  Top Layer w0.15: IC3.16 23.836,24.048 28.913,24.048 30.69,22.27 IC4.2
W25_MOSI: IC3.17 IC4.5 | length 12.4
  Top Layer w0.15: IC3.17 23.03,23.918 23.563,24.452 28.27,24.452 28.714,24.896 31.501,24.896 33.23,26.625 IC4.5
pads on no net: D2. IC1.6 IC1.9 IC2.4 IC3.2 IC3.3 IC3.4 IC3.10 IC3.11 IC3.18 IC3.19 IC3.20 IC3.21 IC3.25 IC3.26 IC3.27 IC3.28 IC3.29 IC3.38 IC3.45 J1. J1.A8 J1.B8 J3.11 J3.13 J3.14 J3.15 J3.16 J3.17 J3.18 J3.19 J3.21 J3.23 J3.25 J3.27 J3.29 J3.31 J3.MH1 J3.MH2 J3.MP1 J3.MP2 S1.1 S1.4 S1.5 XW1.1 XW1.8 XW1.MH1 XW1.MH2 Z1.

## Polygon pours and split planes (outlines as drawn)
GND on Bottom Layer "NONET_L-01_P-001" (solid, pour order 0): 0,3 0,37 cw(c3,37) 3,40 37,40 cw(c37,37) 40,37 40,3 cw(c37,3) 37,0 3,0 cw(c3,3)
GND on Top Layer "NONET_L-01_P-001" (solid, pour order 1): 0,3 0,37 cw(c3,37) 3,40 37,40 cw(c37,37) 40,37 40,3 cw(c37,3) 37,0 3,0 cw(c3,3)

## Keep-outs
Keep-Out Layer:
  the board outline again, w0.2